# Altium PCB Kello.PcbDoc (part 2 of 2)
Units mm, origin at the board's own origin, x right, y up, seen from the top; angles counter-clockwise.
Board outline 146 x 44 mm, 2 copper layers (Top Layer, Bottom Layer), stack 1.071 mm thick; 130 components, 113 nets, 419 pads, 246 vias.
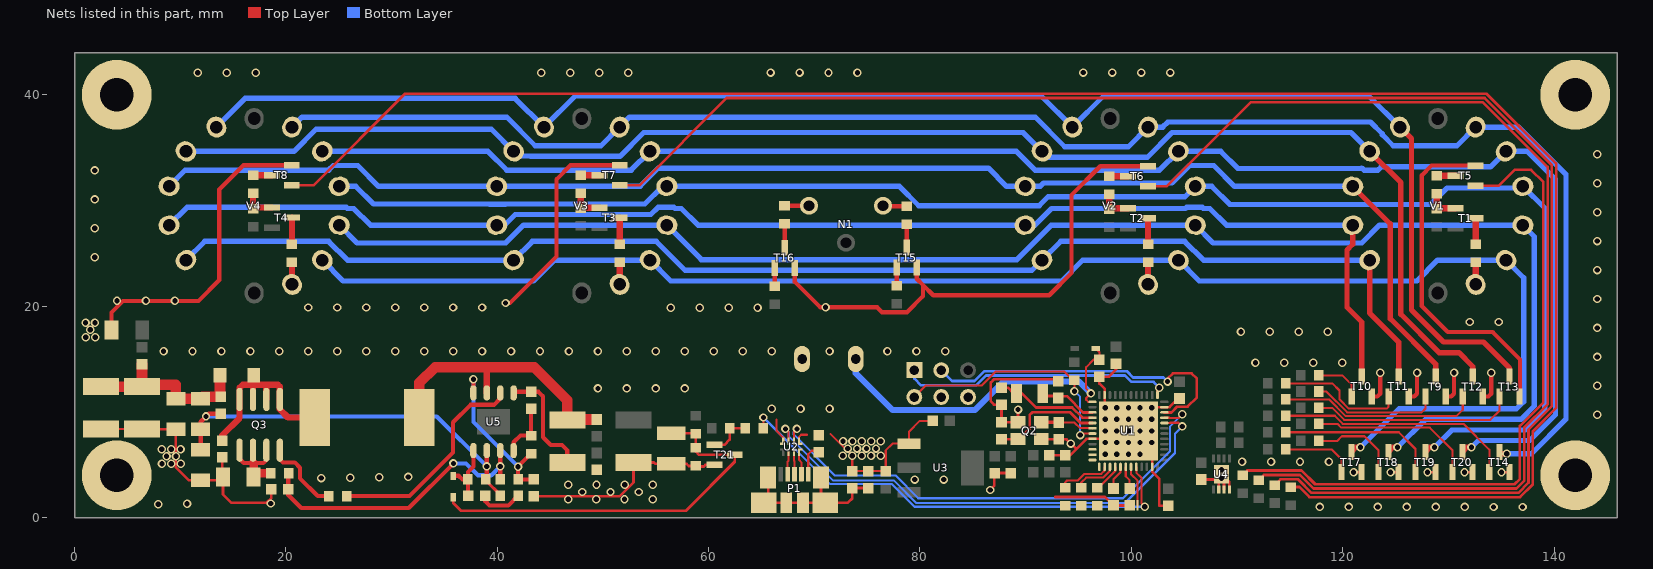
[diagram p2: the nets of this part, all layers, seen from the top]

## Via types
v1: diameter 0.8, hole 0.5, Top Layer to Bottom Layer, tented both sides, 220 vias
v2: diameter 0.8, hole 0.5, Top Layer to Bottom Layer, tented bottom, 26 vias

## Nets (pads, with @x,y where several pads share a name; then routed paths per layer and width w, separated by ;. In a path a pad name is that pad's centre, name@x,y a point inside that pad or via, vN(x,y) a via of type N, cw(c..) or ccw(c..) an arc to the next point about the centre after c; other vN are vias at no path point) (continued)
GND: C1.1 C2.1 C3.1 C4.1 C5.1 C6.1 C7.1 C8.1 C9.1 C10.1 C11.2 C12.1 C13.1 C14.1 C15.1 C16.1 C17.1 C18.1 C20.1 C21.1 C22.1 C23.1 C24.1 C25.1 C26.1 C27.1 C28.1 C30.1 C31.1 C32.1 C33.1 FB1.2 FB2.2 MH1.MH MH2.MH MH3.MH MH4.MH pad.4 pad.6 Q2.2 Q2.4 R40.2 R44.2 R46.2 T5.2 T6.2 T7.2 T8.2 T9.2 T10.2 T11.2 T12.2 T13.2 T14.2 T15.2 T16.2 T17.2 T18.2 T19.2 T20.2 T21.2 U1.8 U1.23 U1.35 U1.47 U1.49 U2.5 U2.8 U3.1 U4.2 U4.3 U4.4 U4.9 U5.5 | length 288.8
  Top Layer w0.203: C20.1@2.513,8.39 C21.1@6.389,8.39 ; 66.416,9.27 66.416,8.196 67.065,7.547 U2.8@67.065,7.231 ; U2.5@68.565,7.231 68.565,7.631 68.765,7.831 69.315,7.831 ; 71.521,7.912 v1(73.591,5.842) C1.1@73.591,4.389 C3.1@76.766,4.389 76.766,6.35 77.415,6.999 U3.1@78.963,6.999 78.963,8.127 79.98,9.144 C5.1@81.211,9.144
  Top Layer w0.254: C21.1@6.389,8.39 6.435,8.344 C22.1@9.592,8.344 9.592,4.745 10.819,3.518 R40.2@11.944,3.518 13.647,3.518 R46.2@13.994,3.865 ; C24.1@13.994,5.684 R46.2@13.994,3.865 ; C28.1@18.629,2.638 18.629,1.844 18.185,1.4 14.826,1.4 14.042,2.184 R46.2@14.042,3.817 R46.2@13.994,3.865 ; U5.5@41.554,11.787 U5.5@41.661,11.894 ; C25.1@43.459,2.001 51.556,2.001 52.888,3.332 C16.1@52.888,5.214 54.838,5.214 54.974,5.078 C27.1@56.444,5.078 57.928,5.078 58.127,4.879 R44.2@58.796,4.879 58.842,4.833 59.546,4.833 59.692,4.979 T21.2@60.574,4.979 ; v1@86.62,2.604 87.035,3.02 87.035,4.147 C6.1@87.095,4.207 C7.1@88.593,4.207 ; v1(89.282,10.214) Q2.4@89.282,9.018 C30.1@87.715,9.018 C33.1@87.715,10.684 87.003,10.684 86.699,10.988 86.699,12.768 87.015,13.084 C32.1@93.101,13.084 ; Q2.2@91.482,7.418 91.506,7.394 C31.1@93.125,7.394 93.877,7.394 v1(94.271,7) 94.794,6.477 ; C9.1@92.236,5.88 C8.1@93.76,5.88 94.197,5.88 94.794,6.477 ; 92.799,1.945 97.513,1.945 C4.1@98.313,1.145 C2.1@99.837,1.145 ; C14.1@98.55,14.57 98.55,14 97.882,13.332 C10.1@96.974,13.332 96.974,12.687 97.474,12.187 U1.47@97.474,11.594 97.474,10.444 v2(97.524,10.394) v2(98.624,9.294) v2(99.724,8.194) ; C13.1@103.507,1.128 102.65,1.128 102.65,3.659 101.974,4.335 U1.23@101.974,4.794 101.974,5.944 v2(100.824,7.094) v2(99.724,8.194) ; C15.1@104.555,11.159 104.319,11.159 103.604,10.444 U1.35@103.124,10.444 101.974,10.444 v2(100.824,9.294) v2(99.724,8.194) ; C12.1@106.625,3.595 108.002,3.595 U4.9@108.274,3.867 ; U4.2@108.274,2.667 U4.9@108.274,3.867 ; U4.3@108.774,2.667 U4.9@108.774,3.717 ; U4.4@109.274,2.667 109.274,3.367 U4.9@108.524,4.117 U4.9@108.274,3.867 ; v1(121.025,4.284) T17.2@121.782,4.284 ; v1(124.525,4.284) T18.2@125.281,4.284 ; v1(128.025,4.284) T19.2@128.782,4.284 ; v1(131.525,4.284) T20.2@132.282,4.284 ; v1@135.025,4.284 T14.2@135.782,4.284 ; 94.794,6.477 95.761,7.444 U1.8@96.324,7.444 98.974,7.444 v2(99.724,8.194)
  Top Layer w0.4: C23.1@3.501,18.099 3.501,19.401 4.6,20.5 11.728,20.5 13.7,22.472 13.7,31.037 15.994,33.331 T8.2@20.562,33.331 ; v1(40.786,20.3) 41.201,20.3 45.6,24.699 45.6,31.998 46.938,33.336 T7.2@51.59,33.336 ; U5.5@41.661,11.894 C26.1@43.205,11.894 43.896,11.894 44.323,11.467 44.323,7.596 45.067,6.852 46.119,6.852 46.634,6.337 C18.1@46.634,5.214 ; T16.2@68.161,23.623 68.161,22.298 70.573,19.886 v1(71.068,19.886) 75.954,19.886 76.413,19.427 78.773,19.427 80.294,20.947 80.294,21.993 ; T15.2@79.693,23.653 79.693,22.594 80.294,21.993 ; T6.2@101.578,33.235 97.059,33.235 94.332,30.508 94.332,23.135 92.226,21.029 81.258,21.029 80.294,21.993 ; T10.2@122.75,11.45 123.279,11.45 123.543,11.715 v1(123.543,13.697) ; T11.2@126.243,11.45 126.772,11.45 127.037,11.715 v1(127.037,13.697) ; T9.2@129.741,11.44 130.27,11.44 130.534,11.705 v1(130.534,13.687) ; T5.2@132.578,33.297 128.399,33.297 127.481,32.379 127.481,20.005 129.934,17.552 134.19,17.552 136.782,14.961 136.782,11.44 T13.2@136.732,11.44 ; T12.2@133.254,11.44 133.783,11.44 134.048,11.705 v1(134.048,13.687)
  other v1: 117.836,1 120.576,0.999 123.316,0.999 126.056,0.998 128.796,0.998 131.536,0.998 134.276,0.997 137.016,0.997 7.914,1.259 10.654,1.293 18.575,1.327 46.725,1.728 49.375,1.728 52.042,1.728 54.709,1.728 48.05,2.413 50.717,2.413 53.384,2.413 86.64,2.604 46.708,3.098 49.392,3.098 52.059,3.098 54.726,3.098 79.506,3.589 82.246,3.588 23.35,3.736 26.09,3.77 28.83,3.804 31.57,3.838 135.025,4.284 8.272,5.101 9.161,5.101 10.05,5.101 110.477,5.278 113.217,5.278 115.957,5.278 118.697,5.277 8.708,5.786 9.597,5.786 72.702,5.842 74.48,5.842 75.369,5.842 76.292,5.842 8.255,6.471 9.144,6.471 10.033,6.471 73.155,6.527 74.044,6.527 74.933,6.527 75.839,6.527 72.719,7.212 73.608,7.212 74.497,7.212 75.386,7.212 76.275,7.212 144.091,9.716 65.964,10.293 68.704,10.293 71.444,10.293 49.524,12.212 52.264,12.211 55.004,12.211 57.744,12.21 144.092,12.456 111.74,14.632 114.48,14.632 117.22,14.632 119.96,14.631 144.092,15.196 8.424,15.735 11.164,15.735 13.904,15.734 16.644,15.734 19.384,15.733 22.124,15.733 24.864,15.733 27.604,15.732 30.344,15.732 33.084,15.731 35.824,15.731 38.564,15.73 41.304,15.73 44.044,15.73 46.784,15.729 49.524,15.729 52.264,15.728 55.004,15.728 57.744,15.728 60.484,15.727 63.224,15.727 65.964,15.726 71.444,15.725 76.924,15.725 79.664,15.724 82.404,15.724 1.064,17.071 1.953,17.071 110.366,17.571 113.106,17.57 115.846,17.57 118.586,17.57 1.5,17.756 144.093,17.936 1.047,18.441 1.936,18.441 132.031,18.5 134.771,18.499 22.123,19.873 24.863,19.873 27.603,19.873 30.343,19.872 33.083,19.872 35.823,19.871 38.563,19.871 56.413,19.861 59.153,19.861 61.893,19.86 64.633,19.86 4.02,20.501 6.76,20.5 9.5,20.5 144.093,20.676 144.093,23.416 1.905,24.619 144.094,26.156 1.905,27.359 144.094,28.896 1.906,30.099 144.095,31.636 1.906,32.839 144.095,34.376 11.657,42.097 14.397,42.097 17.137,42.096 44.165,42.098 46.905,42.097 49.645,42.097 52.385,42.096 65.863,42.099 68.603,42.099 71.343,42.098 74.083,42.098 98.2,42.1 100.94,42.1 103.68,42.1 95.46,42.101
  other v2: 108.524,3.717 108.524,4.517 97.524,5.994 98.624,5.994 99.724,5.994 100.824,5.994 97.524,7.094 98.624,7.094 99.724,7.094 101.924,7.094 97.524,8.194 98.624,8.194 100.824,8.194 101.924,8.194 97.524,9.294 99.724,9.294 101.924,9.294 98.624,10.394 99.724,10.394 100.824,10.394 101.924,10.394
HV_ENABLE: R43.1 U1.20 | length 44.7
  Top Layer w0.203: R43.1@65.168,8.453 65.19,8.476 v1(65.19,9.464) ; U1.20@100.474,4.794 100.474,4.252 100.947,3.779 100.947,1.349 v1(101.28,1.016)
  Bottom Layer w0.203: v1(65.19,9.464) 71.498,3.156 77.348,3.156 79.488,1.016 v1(101.28,1.016)
K_0: T18.3 V1.4 V2.4 V3.4 V4.4 | length 150.7
  Top Layer w0.5: T18.3@124.331,6.194 124.782,6.644 v1(125.181,6.644)
  Bottom Layer w0.5: V4.4@25.048,27.663 26.737,25.974 40.797,25.974 42.486,27.663 V3.4@56.048,27.663 59.311,24.4 89.167,24.4 92.43,27.663 V2.4@106.048,27.663 107.737,25.974 121.797,25.974 123.486,27.663 V1.4@137.048,27.663 138.125,26.586 138.125,10.55 136.866,9.29 127.827,9.29 v1(125.181,6.644)
K_1: T17.3 V1.3 V2.3 V3.3 V4.3 | length 149.2
  Top Layer w0.5: T17.3@120.832,6.194 121.282,6.644 v1(121.681,6.644)
  Bottom Layer w0.5: V4.3@23.454,24.353 25.42,22.387 43.434,22.387 45.4,24.353 V3.3@54.454,24.353 56.42,22.387 74.168,22.387 93.434,22.387 95.4,24.353 V2.3@104.454,24.353 106.42,22.387 127.015,22.387 128.981,24.353 V1.3@135.454,24.353 137.125,22.682 137.125,10.964 136.451,10.29 135.499,10.29 125.327,10.29 v1(121.681,6.644)
K_2: T11.3 V1.13 V2.13 V3.13 V4.13 | length 129.4
  Top Layer w0.5: V1.13@122.546,24.354 122.546,19.354 125.293,16.607 T11.3@125.293,13.35
  Bottom Layer w0.5: V4.13@10.546,24.353 12.326,26.133 24.043,26.133 25.823,24.353 V3.13@41.546,24.353 43.326,26.133 55.043,26.133 57.777,23.4 90.592,23.4 V2.13@91.546,24.353 93.326,26.133 105.043,26.133 106.823,24.354 V1.13@122.546,24.354
K_3: T10.3 V1.12 V2.12 V3.12 V4.12 | length 131.3
  Top Layer w0.5: V1.12@120.952,27.664 120.952,25.852 120.4,25.3 120.4,19.899 121.8,18.499 T10.3@121.8,13.35
  Bottom Layer w0.5: V4.12@8.952,27.664 10.641,29.352 25.707,29.352 25.814,29.245 26.416,29.245 27.997,27.664 V3.12@39.952,27.664 40.71,27.664 41.709,28.663 54.524,28.663 55.214,29.352 56.707,29.352 56.814,29.245 57.416,29.245 58.998,27.664 V2.12@89.952,27.664 90.875,27.664 92.456,29.245 105.107,29.245 105.214,29.352 106.707,29.352 106.814,29.245 107.416,29.245 108.997,27.664 V1.12@120.952,27.664
K_4: T9.3 V1.11 V2.11 V3.11 V4.11 | length 137.9
  Top Layer w0.5: V1.11@120.952,31.337 124.5,27.789 124.5,18.814 128.791,14.523 T9.3@128.791,13.34
  Bottom Layer w0.5: V4.11@8.952,31.337 10.481,32.866 24.043,32.866 24.486,33.309 26.797,33.309 28.769,31.337 V3.11@39.952,31.337 39.967,31.353 53.53,31.353 55.232,33.055 86.487,33.055 88.205,31.337 V2.11@89.952,31.337 91.373,31.337 91.694,31.658 103.835,31.658 105.486,33.309 107.797,33.309 109.769,31.337 V1.11@120.952,31.337
K_5: T12.3 V1.10 V2.10 V3.10 V4.10 | length 144.6
  Top Layer w0.5: V1.10@122.546,34.647 125.5,31.693 125.5,19.228 129.126,15.602 130.998,15.602 132.304,14.296 T12.3@132.304,13.34
  Bottom Layer w0.5: V4.10@10.546,34.647 20.769,34.647 22.86,36.738 39.455,36.738 V3.10@41.546,34.647 41.993,34.2 43.161,34.2 43.183,34.178 51.616,34.178 53.865,36.427 89.766,36.427 V2.10@91.546,34.647 92.106,34.087 101.525,34.087 103.865,36.427 120.766,36.427 V1.10@123.015,34.178
K_6: T13.3 V1.9 V2.9 V3.9 V4.9 | length 149.3
  Top Layer w0.5: V1.9@125.419,36.938 126.5,35.856 126.5,19.643 129.541,16.602 133.33,16.602 135.782,14.15 T13.3@135.782,13.34
  Bottom Layer w0.5: V4.9@13.419,36.938 16.14,39.659 41.697,39.659 V3.9@44.419,36.938 47.394,39.913 91.443,39.913 V2.9@94.419,36.938 97.394,39.913 122.443,39.913 V1.9@125.419,36.938
K_7: T14.3 V1.7 V2.7 V3.7 V4.7 | length 159.8
  Top Layer w0.5: T14.3@134.832,6.194 135.004,6.021 v1@135.532,6.021
  Bottom Layer w0.5: V4.7@20.582,36.937 21.526,37.881 40.894,37.881 43.597,35.178 49.823,35.178 V3.7@51.582,36.937 52.526,37.881 90.906,37.881 93.7,35.087 99.732,35.087 V2.7@101.582,36.937 102.961,36.937 103.451,37.427 122.628,37.427 123.737,36.318 123.737,36.227 124.786,35.178 130.823,35.178 V1.7@132.582,36.937 136.663,36.937 141.125,32.475 141.125,9.307 137.839,6.021 v1(135.531,6.021)
K_8: T20.3 V1.6 V2.6 V3.6 V4.6 | length 154.7
  Top Layer w0.5: T20.3@131.332,6.194 131.782,6.644 v1(132.181,6.644)
  Bottom Layer w0.5: V4.6@23.454,34.647 39.122,34.647 40.902,32.867 52.674,32.867 V3.6@54.454,34.647 89.122,34.647 90.902,32.867 102.674,32.867 V2.6@104.454,34.647 108.456,34.647 110.076,33.027 121.742,33.027 121.769,33.055 121.804,33.02 121.893,33.02 122.045,32.867 123.336,32.867 123.647,33.178 133.985,33.178 V1.6@135.454,34.647 137.478,34.647 140.125,32 140.125,9.721 137.694,7.29 132.827,7.29 v1(132.181,6.644)
K_9: T19.3 V1.5 V2.5 V3.5 V4.5 | length 151.3
  Top Layer w0.5: T19.3@127.832,6.194 128.282,6.644 v1(128.681,6.644)
  Bottom Layer w0.5: V4.5@25.048,31.337 26.61,31.337 28.284,29.663 39.278,29.663 39.293,29.648 40.786,29.648 40.801,29.663 53.959,29.663 55.633,31.337 V3.5@56.048,31.337 78.045,31.337 79.883,29.499 91.274,29.499 92.127,30.352 105.064,30.352 V2.5@106.048,31.337 ; V2.5@106.048,31.337 107.61,31.337 109.321,29.626 128.325,29.626 129.877,31.178 136.889,31.178 V1.5@137.048,31.337 139.125,29.26 139.125,10.135 137.28,8.29 130.327,8.29 v1(128.681,6.644)
NetC1_2: C1.2 FB1.1 P1.6 | length 16.2
  Top Layer w0.254: P1.6@65.63,3.8 65.63,1.8 P1.6@65.23,1.4 P1.6@67.33,1.4 P1.6@68.93,1.4 P1.6@71.03,1.4 ; P1.6@70.63,3.8 70.63,1.8 P1.6@71.03,1.4 ; FB1.1@75.115,2.789 C1.2@73.591,2.789 73.591,1.819 73.172,1.4 P1.6@71.03,1.4
NetC2_2: C2.2 U1.18 | length 2.2
  Top Layer w0.203: U1.18@99.474,4.794 99.474,3.904 99.837,3.541 C2.2@99.837,2.745
NetC4_2: C4.2 U1.17 | length 2.3
  Top Layer w0.203: C4.2@98.313,2.745 98.313,3.615 98.974,4.276 U1.17@98.974,4.794
NetC18_2: C18.2 FB4.2 L1.1 U5.7 | length 26.3
  Top Layer w0.6: 38.989,14.224 39.014,14.199 U5.7@39.014,11.787
  Top Layer w1: L1.1@32.636,9.464 32.636,12.735 34.125,14.224 38.989,14.224 43.51,14.224 46.634,11.1 C18.2@46.634,9.277 ; C18.2@46.634,9.214 C18.2@46.634,9.277 ; FB4.2@49.43,9.277 C18.2@46.634,9.277
NetC19_1: C19.1 R38.2 R40.1 R47.2 R48.2 U5.2 | length 38.2
  Top Layer w0.3: R47.2@38.926,3.601 38.926,3.499 40.274,2.151 R48.2@40.274,2.074
  Top Layer w0.4: R40.1@11.944,6.418 R38.2@11.944,8.344 11.944,9.067 v1(12.444,9.567) 12.695,9.819 C19.1@13.841,9.819 ; R47.2@38.926,3.601 39.014,3.689 v1(39.014,4.833) U5.2@39.014,6.337
  Bottom Layer w0.4: v1(12.444,9.567) 34.279,9.567 v1(39.014,4.833)
NetC19_2: C19.2 C20.2 C21.2 C22.2 D2.K FB5.1 R38.1 | length 17
  Top Layer w1: C20.2@2.513,12.39 C21.2@6.389,12.39 ; FB5.1@6.389,14.505 C21.2@6.389,12.39 ; R38.1@11.938,11.25 R38.1@11.944,11.244 ; D2.K@13.767,13.462 13.767,11.493 C19.2@13.841,11.419 12.119,11.419 R38.1@11.944,11.244 ; C21.2@6.389,12.39 6.571,12.572 9.592,12.572 C22.2@9.592,11.244 R38.1@11.944,11.244
NetC24_2: C24.2 D2.A L1.2 Q3.5 Q3.6 Q3.7 Q3.8 | length 19.2
  Top Layer w0.6: C24.2@13.994,7.284 13.994,7.795 15.619,9.42 Q3.8@15.619,11.17 15.619,12.264 15.926,12.571 16.889,12.571 ; Q3.7@16.889,11.17 16.889,12.571 ; D2.A@16.967,13.462 16.889,13.384 16.889,12.571 ; Q3.6@18.159,11.17 18.159,12.571 ; L1.2@22.736,9.464 20.197,9.464 19.429,10.233 Q3.5@19.429,11.17 19.429,12.39 19.248,12.571 18.159,12.571 ; 16.889,12.571 18.159,12.571
NetC25_2: C25.2 R39.1 R41.1 U5.8 | length 15.8
  Top Layer w0.4: U5.8@37.744,11.787 v1(37.744,13.081) ; R41.1@43.205,6.053 41.974,4.822 v1(41.974,4.814) R39.1@41.974,3.601 C25.2@43.459,3.601
  Bottom Layer w0.4: v1(37.744,13.081) 37.744,9.044 v1(41.974,4.814)
NetC26_2: C26.2 R41.2 U5.4 | length 5.2
  Top Layer w0.4: U5.4@41.554,6.337 41.554,7.119 42.188,7.753 R41.2@43.205,7.753 C26.2@43.205,10.294
NetC27_2: C27.2 D3.K R37.2 R44.1 T21.3 | length 37.9
  Top Layer w0.254: D3.K@35.839,1.928 35.839,1.388 36.585,0.642 57.841,0.642 62.474,5.275 T21.3@62.474,5.929 59.108,5.929 58.796,6.241 R44.1@58.796,6.579 R37.2@58.796,7.927 58.745,7.978 C27.2@56.444,7.978
NetC28_2: C28.2 R39.2 R45.1 U5.3 | length 28
  Top Layer w0.4: R45.1@20.279,4.198 20.229,4.148 C28.2@20.229,2.674 20.229,2.121 21.461,0.889 31.625,0.889 v1(35.855,5.118) ; R39.2@40.274,3.601 v1(40.274,4.833) 40.274,6.327 U5.3@40.284,6.337
  Bottom Layer w0.4: v1(35.855,5.118) 37.054,5.118 38.172,4.001 39.441,4.001 v1(40.274,4.833)
NetC29_1: C29.1 R48.1 | length 4.2
  Top Layer w0.4: C29.1@38.876,2.077 38.876,1.542 39.268,1.15 41.05,1.15 R48.1@41.974,2.074
NetC29_2: C29.2 D3.A R47.1 U5.1 | length 6
  Top Layer w0.4: D3.A@35.839,3.928 35.855,3.944 36.36,3.944 36.703,3.601 R47.1@37.226,3.601 ; C29.2@37.308,2.077 37.226,2.159 R47.1@37.226,3.601 ; U5.1@37.744,6.337 37.744,4.833 37.226,4.315 R47.1@37.226,3.601
NetFB2_1: FB2.1 P1.5 | length 3
  Top Layer w0.203: P1.5@69.43,4.1 69.43,5.987 69.755,6.312 FB2.1@70.416,6.312
NetN1_1: N1.1 R20.1 | length 2.3
  Top Layer w0.4: N1.1@76.5,29.5 76.54,29.46 R20.1@78.74,29.46
NetN1_3: N1.3 R21.1 | length 2.3
  Top Layer w0.4: R21.1@67.183,29.499 N1.3@69.5,29.5 ; N1.3@69.5,29.5 N1.3@69.5,29.5
NetP1_2: P1.2 U2.2 | length 2.1
  Top Layer w0.203: P1.2@67.48,4.1 67.48,5.286 67.565,5.371 U2.2@67.565,6.181
NetP1_3: P1.3 U2.3 | length 2.1
  Top Layer w0.203: U2.3@68.065,6.181 68.065,5.371 68.13,5.306 P1.3@68.13,4.1
NetP1_4: P1.4 U2.4 | length 2.2
  Top Layer w0.203: U2.4@68.565,6.181 68.565,5.435 68.78,5.22 P1.4@68.78,4.1
NetQ3_1: Q3.1 Q3.2 Q3.3 R45.2 R46.1 | length 7.7
  Top Layer w0.4: Q3.1@15.619,6.37 15.619,5.57 16.02,5.169 16.891,5.169 17.869,5.169 18.159,5.459 Q3.3@18.159,6.37
  Top Layer w0.8: 16.891,5.169 16.942,5.118 R46.1@16.942,3.817 17.323,4.198 R45.2@18.579,4.198
NetQ3_4: Q3.4 R42.2 | length 7.5
  Top Layer w0.4: Q3.4@19.455,6.396 Q3.4@19.429,6.37 19.429,5.497 19.731,5.195 20.848,5.195 21.336,4.707 21.336,3.709 23.013,2.032 R42.2@24.042,2.032
NetR1_2: R1.2 R5.1 T1.1 | length 3.2
  Top Layer w0.6: R5.1@128.899,30.647 128.899,29.227 R1.2@128.9,29.226 128.939,29.265 T1.1@130.678,29.265
NetR2_2: R2.2 R6.1 T2.1 | length 3.2
  Top Layer w0.6: R6.1@97.9,30.572 R2.2@97.9,29.164 97.995,29.259 T2.1@99.678,29.259
NetR3_2: R3.2 R7.1 T3.1 | length 3.2
  Top Layer w0.6: R7.1@47.904,30.673 R3.2@47.904,29.286 47.943,29.325 T3.1@49.682,29.325
NetR4_2: R4.2 R8.1 T4.1 | length 3.3
  Top Layer w0.6: R8.1@16.896,30.681 R4.2@16.896,29.233 16.996,29.333 T4.1@18.674,29.333
NetR5_2: R5.2 T5.3 | length 1.8
  Top Layer w0.6: R5.2@128.899,32.347 T5.3@130.678,32.347
NetR6_2: R6.2 T6.3 | length 1.8
  Top Layer w0.6: R6.2@97.9,32.272 97.913,32.285 T6.3@99.678,32.285
NetR7_2: R7.2 T7.3 | length 1.8
  Top Layer w0.6: R7.2@47.904,32.373 47.917,32.386 T7.3@49.69,32.386
NetR8_2: R8.2 T8.3 | length 1.8
  Top Layer w0.6: R8.2@16.896,32.381 T8.3@18.662,32.381
NetR9_2: R9.2 T5.1 | length 63.7
  Top Layer w0.254: R9.2@110.524,4.001 110.975,4.452 116.099,4.452 117.403,3.147 136.276,3.147 136.762,3.633 136.762,8.662 138.981,10.881 138.981,31.754 137.831,32.903 136.276,32.903 134.77,31.397 T5.1@132.578,31.397
NetR10_2: R10.2 T6.1 | length 100.4
  Top Layer w0.254: T6.1@101.578,31.335 103.338,31.335 111.29,39.287 133.263,39.287 139.387,33.163 139.387,10.713 137.168,8.493 137.168,3.465 136.444,2.741 117.235,2.741 115.96,4.016 112.538,4.016 R10.2@112.048,3.526
NetR11_2: R11.2 T7.1 | length 150.4
  Top Layer w0.254: T7.1@51.59,31.436 53.439,31.436 61.697,39.694 133.432,39.694 139.794,33.332 139.794,10.544 137.574,8.325 137.574,3.296 136.612,2.334 117.067,2.334 115.791,3.61 114.108,3.61 R11.2@113.572,3.074
NetR12_2: R12.2 T8.1 | length 181
  Top Layer w0.254: T8.1@20.562,31.431 22.617,31.431 31.286,40.1 133.6,40.1 140.2,33.5 140.2,10.376 137.981,8.157 137.981,3.128 136.781,1.928 116.852,1.928 115.9,2.88 R12.2@115.096,2.88
NetR13_1: R13.1 T1.3 | length 2.5
  Top Layer w0.6: T1.3@132.578,28.315 132.582,28.311 R13.1@132.582,25.857
NetR13_2: R13.2 V1.2 | length 2.1
  Top Layer w0.6: V1.2@132.582,22.063 R13.2@132.582,24.157
NetR14_1: R14.1 T2.3 | length 2.5
  Top Layer w0.6: T2.3@101.578,28.309 101.582,28.305 R14.1@101.582,25.857
NetR14_2: R14.2 V2.2 | length 2.1
  Top Layer w0.6: V2.2@101.582,22.062 R14.2@101.582,24.157
NetR15_1: R15.1 T3.3 | length 2.5
  Top Layer w0.6: R15.1@51.582,25.857 T3.3@51.582,28.375
NetR15_2: R15.2 V3.2 | length 2.1
  Top Layer w0.6: V3.2@51.582,22.062 R15.2@51.582,24.157
NetR16_1: R16.1 T4.3 | length 2.5
  Top Layer w0.6: R16.1@20.574,25.865 T4.3@20.574,28.383
NetR16_2: R16.2 V4.2 | length 2.1
  Top Layer w0.6: R16.2@20.574,24.165 20.582,24.157 V4.2@20.582,22.062
NetR17_2: R22.2 T12.1 | length 18.9
  Top Layer w0.203: R22.2@114.624,11.182 114.645,11.161 118.717,11.161 120.282,9.597 130.754,9.597 131.354,10.197 T12.1@131.354,11.44
NetR18_2: R19.2 T9.1 | length 12.2
  Top Layer w0.203: R19.2@117.75,11.925 117.76,11.915 118.466,11.915 120.429,9.952 127.471,9.952 127.841,10.322 T9.1@127.841,11.44
NetR19_2: R23.2 T13.1 | length 19.2
  Top Layer w0.203: R23.2@117.75,10.381 117.76,10.372 119.004,10.372 120.134,9.241 133.957,9.241 134.832,10.115 T13.1@134.832,11.44
NetR20_2: R20.2 T15.3 | length 2.2
  Top Layer w0.4: R20.2@78.74,27.76 78.74,25.556 T15.3@78.743,25.553
NetR21_2: R21.2 T16.3 | length 2.3
  Top Layer w0.4: R21.2@67.183,27.799 67.211,27.771 T16.3@67.211,25.523
NetR22_2: R24.2 T14.1 | length 22.7
  Top Layer w0.203: R24.2@114.624,9.631 114.624,9.627 119.245,9.627 120.008,8.864 131.426,8.864 133.882,6.409 T14.1@133.882,4.294
NetR23_2: R27.2 T20.1 | length 15.7
  Top Layer w0.203: R27.2@117.75,8.859 119.51,8.859 119.861,8.509 128.246,8.509 130.382,6.373 T20.1@130.382,4.294
NetR24_2: R28.2 T19.1 | length 15.1
  Top Layer w0.203: R28.2@114.624,8.073 125.296,8.073 126.882,6.488 T19.1@126.882,4.294
NetR25_2: R25.2 T15.1 | length 1.7
  Top Layer w0.4: R25.2@77.793,21.929 T15.1@77.793,23.653
NetR26_2: R26.2 T16.1 | length 1.7
  Top Layer w0.4: R26.2@66.261,21.879 T16.1@66.261,23.623
NetR27_2: R29.2 T18.1 | length 8.4
  Top Layer w0.203: R29.2@117.75,7.257 117.76,7.247 119.481,7.247 119.92,7.687 122.055,7.687 123.381,6.361 T18.1@123.381,4.294
NetR28_2: R30.2 T17.1 | length 6.9
  Top Layer w0.203: R30.2@114.624,6.446 114.634,6.436 118.948,6.436 119.882,5.502 T17.1@119.882,4.294
NetR29_2: R17.2 T10.1 | length 4.6
  Top Layer w0.203: R17.2@117.75,13.45 119.95,13.45 120.85,12.55 T10.1@120.85,11.45
NetR30_2: R18.2 T11.1 | length 12.3
  Top Layer w0.203: R18.2@114.624,12.722 114.624,12.696 119.026,12.696 119.7,12.022 119.7,11.184 120.576,10.308 124.153,10.308 124.343,10.498 T11.1@124.343,11.45
NetR31_2: R31.2 U1.14 | length 5.1
  Top Layer w0.203: R31.2@93.741,2.795 93.741,3.323 93.917,3.499 94.941,3.499 95.574,4.132 97.154,4.132 97.474,4.452 U1.14@97.474,4.794
NetR32_2: R32.2 U1.15 | length 4.1
  Top Layer w0.203: R32.2@95.265,2.795 95.265,3.32 95.721,3.776 97.315,3.776 97.974,4.435 U1.15@97.974,4.794
NetR33_2: R33.2 U1.16 | length 2.7
  Top Layer w0.203: R33.2@96.789,2.795 96.873,2.795 98.474,4.396 U1.16@98.474,4.794
NetR36_2: R36.2 R43.2 T21.1 | length 4.2
  Top Layer w0.254: T21.1@60.574,6.879 61.505,6.879 61.993,7.367 R36.2@61.993,8.453 R43.2@63.468,8.453
NetR42_1: R42.1 U5.6 | length 20.6
  Top Layer w0.4: R42.1@25.742,2.032 31.704,2.032 35.817,6.145 35.817,9.01 37.469,10.662 39.696,10.662 40.284,11.25 U5.6@40.284,11.787
NetU1_10: U1.10
NetU1_11: U1.11
NetU1_12: U1.12
NetU1_13: U1.13
NRST: pad.2 R49.1 U1.7 | length 23.1
  Top Layer w0.203: pad.2@79.47,11.403 80.554,12.488 85.838,12.488 87.17,13.82 93.637,13.82 94.487,12.97 R49.1@94.613,12.97 v1(94.613,11.959) ; v1(95.157,7.801) 95.3,7.944 U1.7@96.324,7.944
  Bottom Layer w0.203: v1(94.613,11.959) 95.157,11.415 v1(95.157,7.801)
OSC24M_IN: C30.2 Q2.1 U1.5 | length 10.8
  Top Layer w0.254: C30.2@87.715,7.418 Q2.1@89.282,7.418 89.385,7.418 90.382,8.415 90.382,9.687 90.655,9.96 93.512,9.96 94.197,9.96 95.213,8.944 U1.5@96.324,8.944
OSC24M_OUT: C31.2 Q2.3 U1.6 | length 5.1
  Top Layer w0.203: C31.2@93.125,8.994 94.613,8.994 95.152,8.455 96.313,8.455 U1.6@96.324,8.444
  Top Layer w0.3: Q2.3@91.482,9.018 93.101,9.018 C31.2@93.125,8.994
OSC32K_IN: C32.2 Q1.1 U1.3 | length 5.4
  Top Layer w0.254: C32.2@93.101,11.484 93.9,11.484 95.44,9.944 U1.3@96.324,9.944
  Top Layer w0.3: Q1.1@91.632,11.738 91.886,11.484 C32.2@93.101,11.484
OSC32K_OUT: C33.2 Q1.2 U1.4 | length 9.8
  Top Layer w0.254: C33.2@87.715,12.284 88.318,12.284 88.864,11.738 Q1.2@89.132,11.738 89.654,11.738 90.979,10.412 94.397,10.412 95.365,9.444 U1.4@96.324,9.444
SWCLK: pad.1 U1.37 | length 25.9
  Top Layer w0.254: U1.37@102.474,11.594 102.474,12.108 v1(102.65,12.284)
  Bottom Layer w0.254: pad.1@79.47,13.943 79.47,13.141 80.104,12.507 85.322,12.507 86.258,13.443 99.396,13.443 100.006,12.834 102.1,12.834 v1(102.65,12.284)
SWD: pad.3 U1.34 | length 31.5
  Top Layer w0.254: U1.34@103.124,9.944 103.801,9.944 104.342,10.486 105.321,10.486 106.198,11.363 106.198,13.146 105.7,13.644 103.927,13.644 103.424,13.141 v1(103.424,12.865)
  Bottom Layer w0.254: pad.3@82.01,13.943 83.04,12.913 85.153,12.913 86.09,13.85 99.565,13.85 100.174,13.241 103.048,13.241 v1(103.424,12.865)
TSC_SHIELD: pad. U1.19 | length 3.9
  Top Layer w0.203: U1.19@99.974,4.794 99.974,4.108 100.591,3.491 pad.@100.591,1.145
TSC_SNS1: R31.1
TSC_SNS2: R32.1
TSC_SNS3: R33.1
USB_D_N: U1.32 U2.7 | length 47.9
  Top Layer w0.203: v1(67.27,8.382) 67.565,8.087 U2.7@67.565,7.231 ; U1.32@103.124,8.944 103.626,8.944 103.647,8.965 104.464,8.965 v1(104.809,8.62)
  Bottom Layer w0.203: v1(67.27,8.382) 67.586,8.066 67.586,7.685 71.759,3.512 77.513,3.512 79.653,1.372 99.394,1.372 104.123,6.101 104.123,7.934 v1(104.809,8.62)
USB_D_P: U1.33 U2.6 | length 47.7
  Top Layer w0.203: U2.6@68.065,7.231 68.065,8.087 v1(68.36,8.382) ; U1.33@103.124,9.444 103.626,9.444 103.647,9.423 104.464,9.423 v1(104.809,9.768)
  Bottom Layer w0.203: v1(68.36,8.382) 68.044,8.066 68.044,7.874 71.949,3.969 77.703,3.969 79.843,1.829 99.204,1.829 103.666,6.29 103.666,8.625 v1(104.809,9.768)
VBAT: C10.2 C11.1 D1.K U1.1 | length 33.5
  Top Layer w0.203: U1.1@96.324,10.944 95.929,10.944 95.74,11.133 95.74,11.31 v1(96.174,11.744) 95.723,12.195 95.723,14.231 96.424,14.932 C10.2@96.974,14.932 96.974,15.659 D1.K@96.631,16.002
  Bottom Layer w0.6: C11.1@73.921,15 73.921,13.666 77.421,10.166 85.193,10.166 87.891,12.864 95.054,12.864 v1(96.174,11.744)
pads on no net: U4.1 U5.9 V1.1 V1.8 V2.1 V2.8 V3.1 V3.8 V4.1 V4.8

## Polygon pours and split planes (outlines as drawn)
GND on Top Layer "GND_L01_P017" (solid, remove dead copper, pour order 17): 0,0 146,0 146,44 0,44
NetC18_2 on Top Layer "NETC18_2_L01_P019" (solid, remove dead copper, pour order 19): 33.595,8.989 33.595,5.926 28.83,5.926 28.83,13.264 32.602,13.264 33.595,14.258
NetC19_2 on Top Layer "NETC19_2_L01_P011" (solid, remove dead copper, pour order 11): 0.813,11.594 0.813,15 6.864,15 7.664,14.199 14.316,14.199 14.316,11 13.27,11 12.954,10.684 8.791,10.684 7.881,11.594
NetC24_2 on Top Layer "NETC24_2_L01_P010" (solid, remove dead copper, pour order 10): 15.619,9.41 15.673,9.464 20.815,9.464 21.324,8.955 21.324,5.892 26.09,5.892 26.09,13.23 22.318,13.23 21.324,14.224 16.336,14.199 15.367,13.23 15.367,9.444
+5V on Top Layer "+5V_L01_P004" (solid, remove dead copper, pour order 4): 54.588,8.382 51.188,8.382 51.188,9.992 53.779,9.99 55.033,11.244 58.452,11.244 60.764,8.932 60.764,8.096 60.637,7.978 59.875,7.978 59.875,8.54 59.212,9.203 55.43,9.203
+5V on Top Layer "+5V_L01_P002" (solid, remove dead copper, pour order 2): 74.365,2.039 74.099,1.773 74.099,1.247 74.838,0.508 74.841,0.511 78.846,0.511 80.113,1.778 80.113,3.302 76.291,3.302 76.258,3.269 76.258,2.286 76.011,2.039
+5V on Top Layer "+5V_L01_P000" (solid, remove dead copper, pour order 0): 63.63,7.412 63.63,5.537 63.921,5.207 66.362,5.207 66.615,4.954 66.606,4.945 66.606,4.65 67.065,4.65 67.065,5.324 67.241,5.5 67.241,6.629 66.671,6.629 66.315,6.985 66.315,7.255 65.868,7.703 63.921,7.703
GND on Bottom Layer "GND_L02_P015" (solid, remove dead copper, pour order 15): 0,0 146,0 146,44 0,44
+5V on Bottom Layer "+5V_L02_P008" (solid, remove dead copper, pour order 8): 54.973,11.423 54.584,11.034 54.584,10.17 55.254,9.5 59.628,9.5 68.62,0.508 77.112,0.508 77.758,1.154 77.758,1.781 77.046,2.54 71.141,2.54 62.243,11.438

## Keep-outs
Keep-Out Layer:
  the board outline again, w0.1

## Other copper
Top Layer:
  pour cut-out: 17,19.288 cw(c17,29.5) 6.788,29.5 cw(c17,29.5) 17,39.711 cw(c17,29.5) 27.211,29.5 cw(c17,29.5)
  pour cut-out: 98,19.288 cw(c98,29.5) 87.788,29.5 cw(c98,29.5) 98,39.711 cw(c98,29.5) 108.211,29.5 cw(c98,29.5)
  pour cut-out: 129,19.289 cw(c129,29.5) 118.788,29.5 cw(c129,29.5) 129,39.711 cw(c129,29.5) 139.211,29.5 cw(c129,29.5)
  pour cut-out: 48,19.288 cw(c48,29.5) 37.788,29.5 cw(c48,29.5) 48,39.711 cw(c48,29.5) 58.211,29.5 cw(c48,29.5)
  pour cut-out: 34.086,13.88 34.086,14.208 21.286,14.208 21.286,13.88
  pour cut-out: 21.286,5.049 21.286,4.72 34.086,4.72 34.086,5.049
  pour cut-out: 15.199,9 15.199,7.496 18.244,7.496 18.244,3.201 19.838,3.201 19.838,4.707 21.695,4.707 21.695,9.018 19.629,9.018
  region net 3V3: 87.315,3.351 87.315,2.145 90.962,2.145 90.979,2.163 90.979,3.351
Bottom Layer:
  pour cut-out: 129,19.289 cw(c129,29.5) 118.789,29.5 cw(c129,29.5) 129,39.712 cw(c129,29.5) 139.211,29.5 cw(c129,29.5)
  pour cut-out: 98,19.289 cw(c98,29.5) 87.789,29.5 cw(c98,29.5) 98,39.711 cw(c98,29.5) 108.211,29.5 cw(c98,29.5)
  pour cut-out: 48,19.289 cw(c48,29.5) 37.789,29.5 cw(c48,29.5) 48,39.711 cw(c48,29.5) 58.211,29.5 cw(c48,29.5)
  pour cut-out: 17,19.289 cw(c17,29.5) 6.789,29.5 cw(c17,29.5) 17,39.711 cw(c17,29.5) 27.211,29.5 cw(c17,29.5)
  region net 3V3: 87.315,3.351 87.315,2.145 90.962,2.145 90.979,2.163 90.979,3.351

## Silkscreen, mask and mechanical layers (free items; w line width, h text height)
Top Overlay:
  lines w0.2: 78.2,10.166 85.883,10.166 85.883,15.305 78.2,15.305 78.2,10.166
  text "EH" at 84.5,43.5 h15 r180
  text "Rev 1.1" at 119.268,43 h3 r180
  text "Kello" at 132.163,43 h5 r180
  text "Krzysztof Belewicz        2018" at 40.64,42.5 h2 r180
  text "1" at 78.896,15.762 h0.6

## Dimensions
0,0 to 0,44 on PCB Dimension
0,0 to 146,0 on PCB Dimension

## Text inside footprints (layer, text, board x,y; h text height)
V1: Nixie "Front" at 125.825,32.675 h0.6
V2: Nixie "Front" at 94.825,32.675 h0.6
V3: Nixie "Front" at 44.825,32.675 h0.6
V4: Nixie "Front" at 13.825,32.675 h0.6